# KiCad board Ultra-MSX.kicad_pcb (continued)
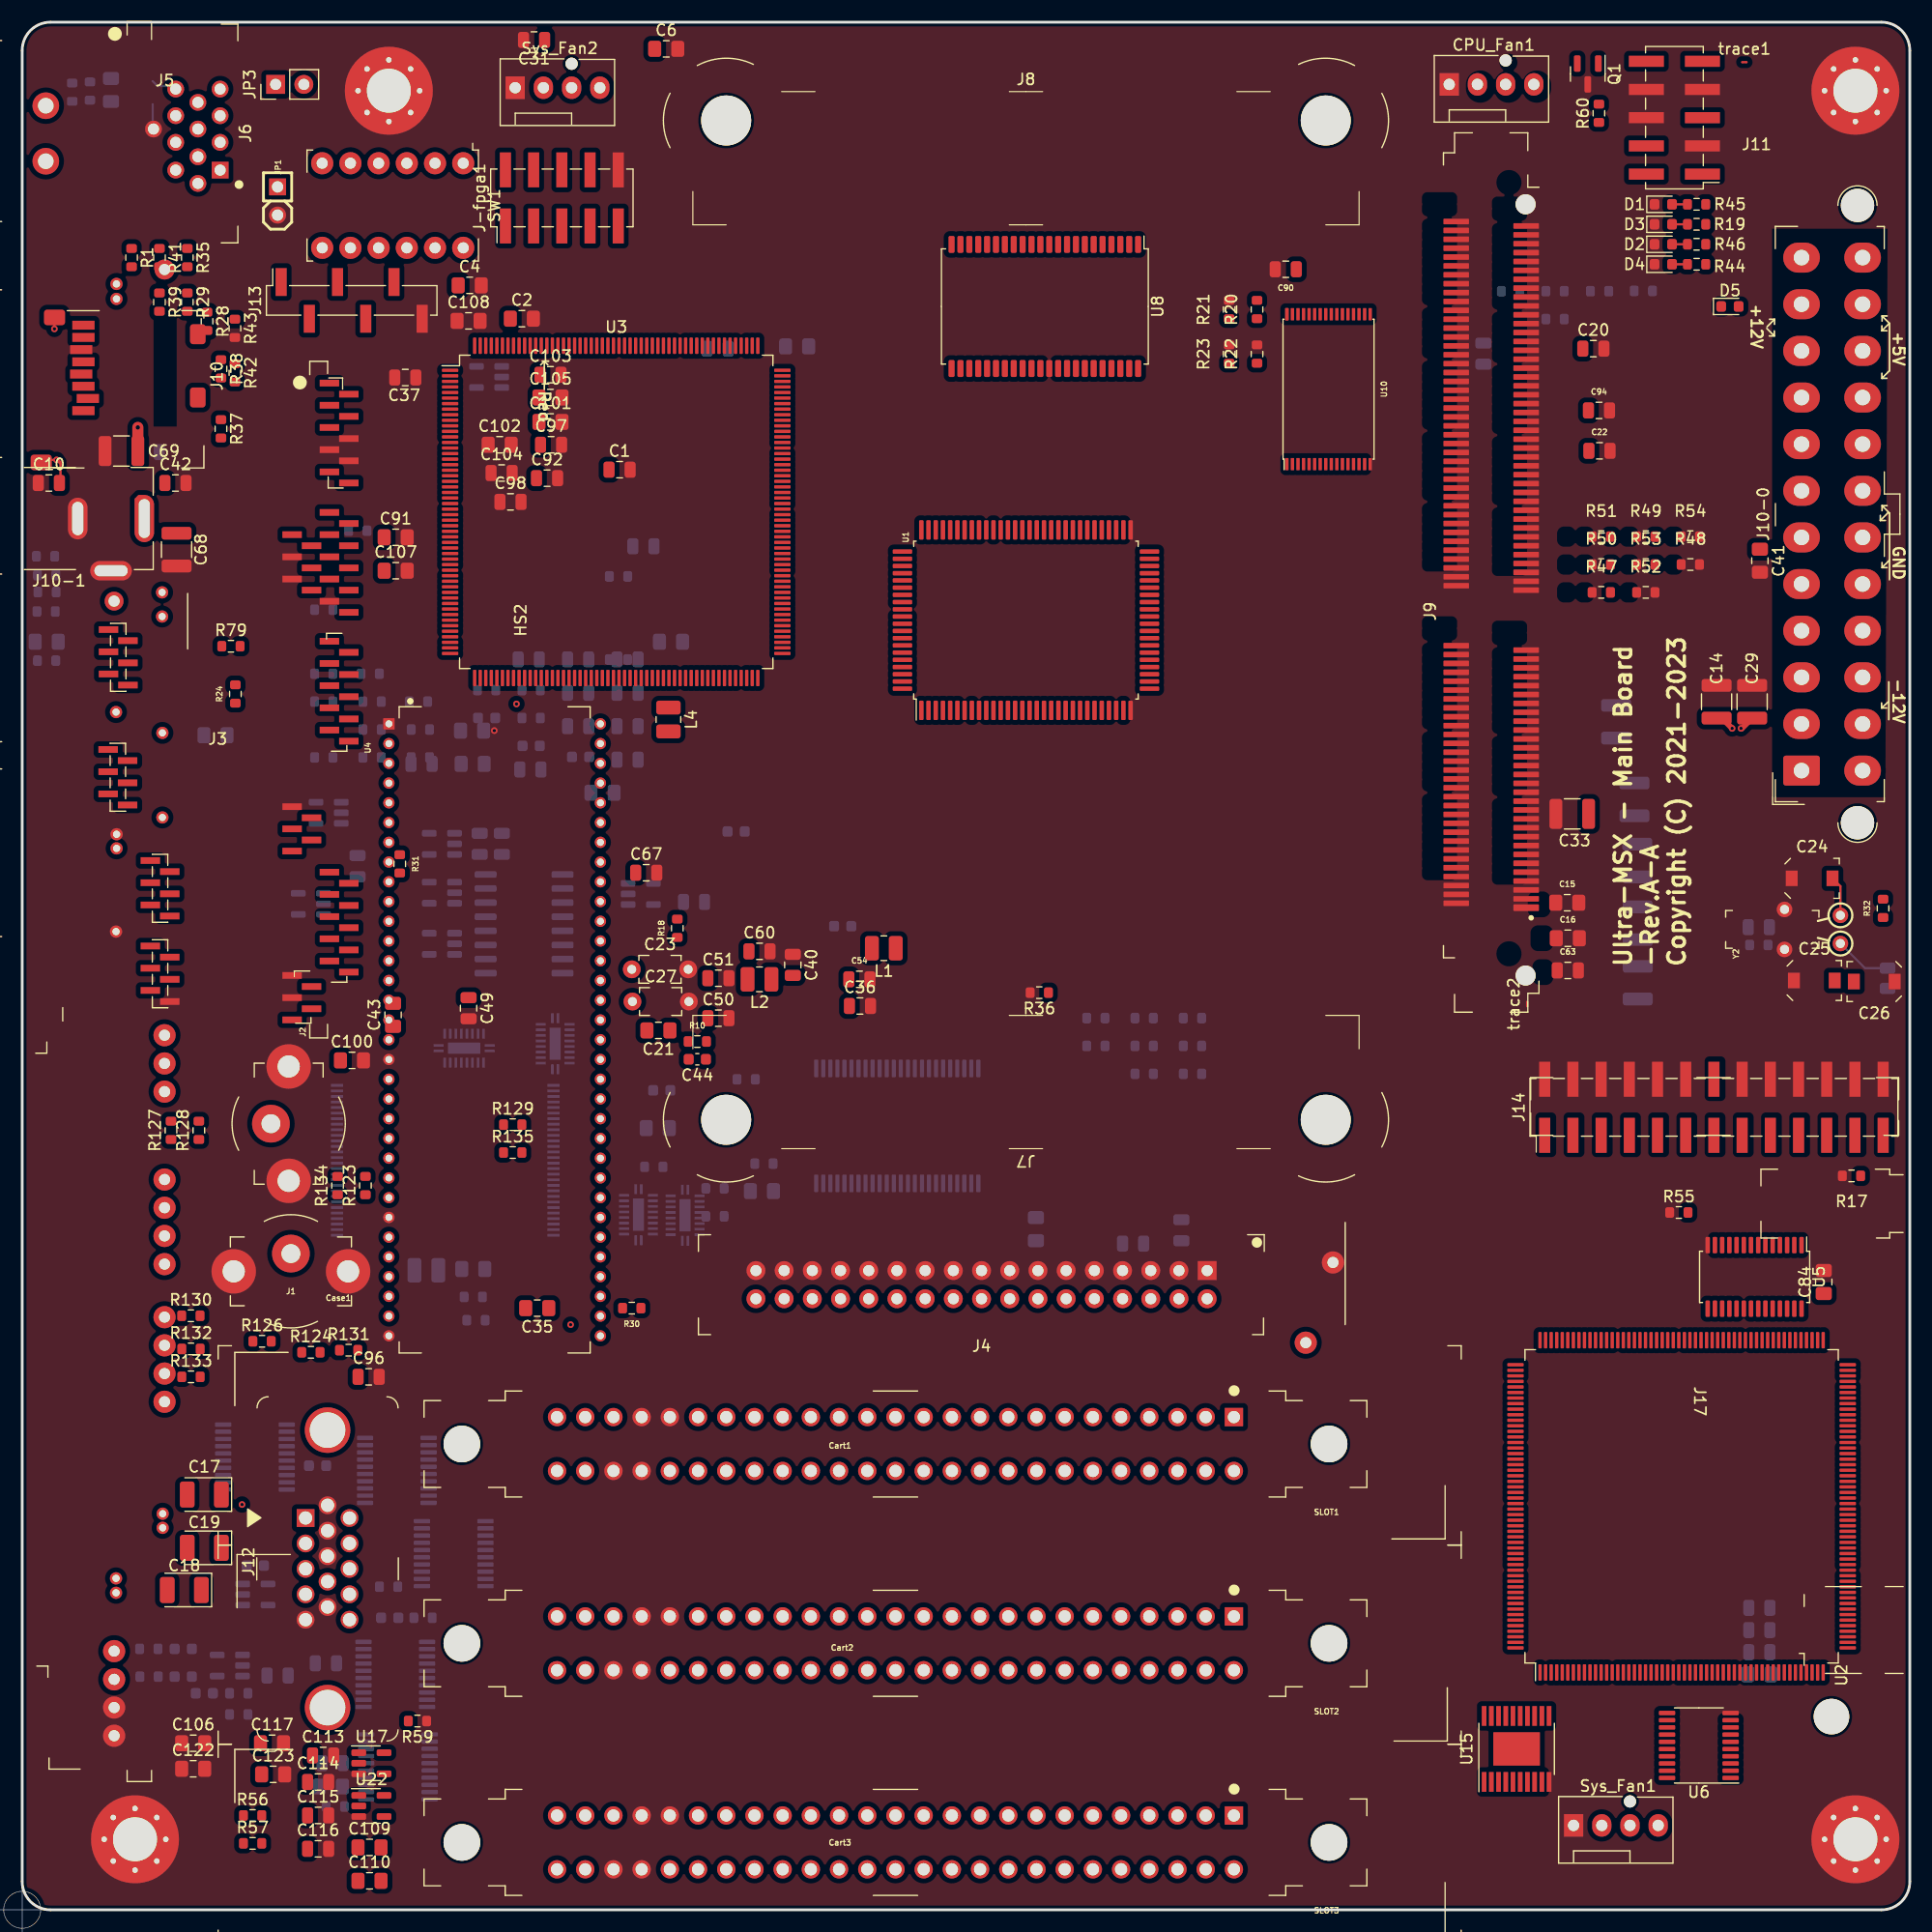
[diagram p0: board, top side]
## Placement (name value [footprint] x y rotation side) (continued)
R116  R  [R_0603_1608Metric]  2.15 116.93 0 bottom
R117  R  [R_0603_1608Metric]  53.7 112.6 0 bottom
R118  R  [R_0603_1608Metric]  2.2 112.5 0 bottom
R121  R  [R_0603_1608Metric]  11.4 23.5 180 bottom
R122  R  [R_0603_1608Metric]  11.43 21 180 bottom
R123  R  [R_0603_1608Metric]  30.91 65.22 90 top
R124  R  [R_0603_1608Metric]  26 50.21 0 top
R125  R  [R_0603_1608Metric]  40.87 53.1 0 bottom
R126  R  [R_0603_1608Metric]  21.6 51.2 0 top
R127  R  [R_0603_1608Metric]  13.4 70.2 90 top
R128  R  [R_0603_1608Metric]  15.91 70.2 90 top
R129  R  [R_0603_1608Metric]  44.18 70.71 0 top
R130  R  [R_0603_1608Metric]  15.19 53.5 0 top
R131  R  [R_0603_1608Metric]  29.4 50.4 0 top
R132  R  [R_0603_1608Metric]  15.2 50.51 0 top
R133  R  [R_0603_1608Metric]  15.2 48 0 top
R134  R  [R_0603_1608Metric]  28.4 65.22 90 top
R135  R  [R_0603_1608Metric]  44.18 68.2 0 top
RV1  AD5144ABRUZ100  [TSSOP-20_4.4x6.5mm_P0.65mm]  38.86 32.08 180 bottom
RV2  AD5144ABRUZ100  [TSSOP-20_4.4x6.5mm_P0.65mm]  33.84 12.88 180 bottom
RV3  AD5144ABRUZ100  [TSSOP-20_4.4x6.5mm_P0.65mm]  33.74 39.58 180 bottom
RV4  AD5144ABRUZ100  [TSSOP-20_4.4x6.5mm_P0.65mm]  33.6 21.2 180 bottom
RV5  AD5144ABRUZ100  [TSSOP-20_4.4x6.5mm_P0.65mm]  20.96 40.78 180 bottom
SLOT1  MSX_SHOST_FLANGE  [MSX_TE_5530841-5]  78.65 41.95 180 top
SLOT2  MSX_SHOST_FLANGE  [MSX_TE_5530841-5]  78.65 24 180 top
SLOT3  MSX_SHOST_FLANGE  [MSX_TE_5530841-5]  78.65 6.07 180 top
SW1  SW_DS01-254  [SW_DIP_DPSTx06_Slide_CUI_DS01_W9.9mm_P2.54mm]  33.37 153.49 270 top
Sys_Fan1  Molex_470533000  [FanPinHeader_1x04_P2.54mm_Vertical]  139.72 7.6 0 top
Sys_Fan2  Molex_470533000  [FanPinHeader_1x04_P2.54mm_Vertical]  44.4 164.1 0 top
trace1  pcb-trace  [NetTie-2_SMD_Pad0.2mm]  155.1 166.4 0 top
trace2  pcb-trace  [NetTie-2_SMD_Pad0.2mm]  135.53 81.58 90 top
U1  MPU_Z380  [PQFP-100_14x20mm_P0.65mm]  90.4 116.15 90 top
U2  AT40K10-2DQU  [PQFP-208_28x28mm_P0.5mm]  149.45 36.34 90 top
U3  AT40K10-2DQU  [PQFP-208_28x28mm_P0.5mm]  53.5 125.9 0 top
U4  YM2610  [YM_SDIP64_600]  42.55 79.25 270 top
U5  BQ4802YPW  [TSSOP-28_4.4x9.7mm_P0.65mm]  156.03 57 270 top
U6  74ABT245PW_118  [TSSOP-20_4.4x6.5mm_P0.65mm]  151 14.8 180 top
U7  TL071HIDBV  [SOT-23-5]  55.71 91.49 0 bottom
U8  AS6C8008-55ZIN  [TSOP-II-44_10.16x18.41mm_P0.8mm]  92.1 144.4 270 top
U9  DAC_YM3016  [SO-16_5.3x10.0mm_P1.27mm]  45.2 88.8 180 bottom
U10  SST39SF040  [TSOP-32_8x14mm_P0.5mm]  117.65 136.95 270 top
U11  TL071HIDBV  [SOT-23-5]  37.8 96 180 bottom
U12  TL071HIDBV  [SOT-23-5]  26 90.6 180 bottom
U13  TL071HIDBV  [SOT-23-5]  37.8 87 180 bottom
U14  SN74ABTH16244DL  [Texas_R-PDSO-G48_7.7x16.0mm]  78.8 70.6 270 bottom
U15  SN74ABT241APW  [Texas_PWP0020A]  134.59 14.49 90 top
U16  TL071HIDBV  [SOT-23-5]  42.05 138.05 180 bottom
U17  TL071HIDBV  [SOT-23-5]  31.45 13.2 0 top
U18  TL071HIDBV  [SOT-23-5]  27.6 98.8 180 bottom
U19  TL071HIDBV  [SOT-23-5]  37.8 91.6 180 bottom
U20  TL071HIDBV  [SOT-23-5]  21 28.4 0 bottom
U21  TL071HIDBV  [SOT-23-5]  18.7 22 180 bottom
U22  TL071HIDBV  [SOT-23-5]  31.45 9.35 0 top
U23  S29GL128S90TFI010  [TSOP-I-56_18.4x14mm_P0.5mm]  38.1 67.5 180 bottom
U24  FXMA108  [WQFN-20-1EP_2.5x4.5mm_P0.5mm_EP1x2.9mm]  39.8 77.6 270 bottom
U25  FXMA108  [WQFN-20-1EP_2.5x4.5mm_P0.5mm_EP1x2.9mm]  48 78 180 bottom
U26  FXMA108  [WQFN-20-1EP_2.5x4.5mm_P0.5mm_EP1x2.9mm]  59.7 62.55 0 bottom
U27  FXMA108  [WQFN-20-1EP_2.5x4.5mm_P0.5mm_EP1x2.9mm]  55.5 62.6 0 bottom
Y2  Crystal_AB38T-32.768KHZ  [Crystal_32K_Horiz]  159.2 88.3 270 top

## Library data of the parts
BT1 BT2 = -: Description: Coin, 6.8mm Silver Oxide 1.55 V Battery Non-Rechargeable (Primary); MPN: 377-376VZ; Manufacturer: Energizer Battery Company; Sim.Enable: 0; Voltage: 1.55V
C1 C3 C7-C9 C13 C20 C22 C31 C36 C37 C40 C42 C48-C55 C59 C60 C62 C63 C65 C67 C74 C79-C83 C85 C87-C90 C92-C98 C103 C104 C113-C116 C118-C120 = -: Description: 0.1uF, 50V, 5%, -55C to +125C, MLCC capacitor; Capacitance: 0.1uF; MPN: CC0805JPX7R9BB104; Manufacturer: Yageo; Mounting type: SMD; Mouser datasheet: https://www.mouser.se/datasheet/2/427/vjcommercialseries-1764145.pdf; Status: Active; Temperature Coefficient : X7R; Voltage rating: 50V
C2 C4-C6 C11 C12 C15 C16 C21 C35 C38 C41 C43 C56 C66 C70-C73 C75 C84 C86 C91 C99-C102 C105-C110 C117 C121-C123 = -: Description: Ceramic capacitor, 10uF, 10V, ±10% , -55C to +105C;  Temperature Coefficient : X7R; Capacitance: 10uF; MPN: GRM21BR71A106KA73K; Manufacturer: Murata Electronics; Tolerance: ±10%; Voltage rating: 10V
C10 = -: Description: 47uF, 10V, 20%, -55C to +85C, X5R, ceramic capacitor; Capacitance: 47uF; MPN: GRM21BR61A476ME15K; Manufacturer: Murata Electronics; Temperature Coefficient: X5R; Tolerance: ±20%; Voltage rating: 10V
C14 C28-C30 C32-C34 C39 C68 C69 = -: Description: 47µF ±10% 16V Ceramic Capacitor X6S 1210 (3225 Metric); Capacity: 47µF; MPN: GRM32EC81C476KE15K; Manufacturer: Murata Electronics; Mounting type: SMD; Operating Temperature: -55°C to +105°C; Status: Active; Temperature Coefficient: X6S; Tolerance: ±10%; Voltage rating: 16V
C17-C19 = -: Description: 220 µF Molded Tantalum Polymer Capacitor 6.3 V 1411 (3528 Metric), 1210 70mOhm @ 100kHz; Capacitance: 220uF; MPN: TCJB227M006R0070; Manufacturer: KYOCERA AVX; Voltage Rating: 6.3V
C23 C27 = -: Description: 2.2nF, ±5%, 50V, Ceramic Capacitor, X7R, surface mount; Capacity: 2.2 nF; MPN: GRM1885C1H222JA01D; Manufacturer: Murata Electronics; Status: Active; Temperature coefficient: C0G; Type: SMD; Voltage rating: 50V
C24-C26 = -: Description: 8 ~ 30pF Trimmer Capacitor 100 V Top Surface Mount; Capacitance: 30pF; MPN: SGC3S300NM; Manufacturer: EW Electronics
C44-C47 C57 C58 C61 C64 C76-C78 C111 C112 = -: Description: Unpolarized capacitor
Cart1-Cart3 = -: Description: MSX-cartridge, for checking placements of components to PCB.; MPN: n/a; Manufacturer: n/a; Sim.Enable: 0
Case1 = -: Description: Mini-ITX case, for checking placements of components to PCB.; MPN: A4-SFX v4.1; Manufacturer: DAN Cases; Sim.Enable: 0
CPU_Fan1 Sys_Fan1 Sys_Fan2 = -: Description: KK 254, Male Header w. friction lock, 1x4 pins, Pitch 2.54mm, -40°C to +80°C; Current Rating: 4A; Detail_Page: https://www.molex.com/molex/products/part-detail/pcb_headers/0470533000; MPN: 0470533000; Manufacturer: Molex; Operating temperature: -40°C to +80°C; Sim.Enable: 0; Status: Active; Voltage Rating: 500V
D1 D2 = -: Description: White, Cool 7000K LED Indication - Discrete 2.93V 0603 (1608 Metric); Colour: White; MPN: VLMW1300-GS08; Manufacturer: Vishay Semiconductor Opto Division; Sim.Enable: 0
D3-D5 = -: Description: Blue 470nm LED Indication - Discrete 3.3V 0603 (1608 Metric); Colour: Blue; MPN: VLMB1310-GS08; Manufacturer: Vishay Semiconductor Opto Division; Sim.Enable: 0
H1-H4 = -: Description: Mounting Hole with connection; Sim.Enable: 0
HS2 = -: Description: Heatsink with electrical connection, 4 pin; MPN: SCFM-2100; Manufacturer: Scythe Group; Sim.Enable: 0
J1 = -: Description: RCA Phono Connectors PHONO JACK, RED, 50V; Colour: Red; Current Rating: n/a; MPN: RCJ-022; Manufacturer: CUI Devices; Sim.Enable: 0; Voltage Rating: 50V
J2 = -: Description: RCA Phono Connectors PHONO JACK, White, 50V; Colour: White; Current Rating: n/a; MPN: RCJ-023; Manufacturer: CUI Devices; Sim.Enable: 0; Voltage Rating: 50V
J3 = -: Description: Video Display Processor -daughter-card, for the Ultra-MSX. (representative symbol); Sim.Enable: 0
J4 = -: Description: Connector Header, Through Hole, 34 position, 2.54mm pitch, Vertical, odd even; Current Rating: 3A; MPN: 75869-306LF; Manufacturer: Amphenol ICC (FCI); Mount: THT; Operating Temperature: -65°C to +125°C; Sim.Enable: 0; Status: Active; Voltage Rating: 250V
J5 = -: Description: IO-shield daugher-card, for the Ultra-MSX. (representative symbol); Sim.Enable: 0
J6 = -: Description: 13 Position Circular Connector Receptacle, Female Sockets Solder, right angle; Current rating: 1A; Manufacturer: CUI Devices; Operating temperature: -40°C ~ 85°C; Sim.Enable: 0; Status: OBSOLETE; Voltage rating: 100V
J7 J8 = -: Description: Mechanical mounting-bracket for Socket AM4 coolers.; MPN: n/a; Manufacturer: n/a; Sim.Enable: 0
J9 = -: Description: Socket for 144-pin SO-DIMM memory modules.; Current rating: 0.3A; Frequency: 133MHz; MPN: 296403144221856A+; Manufacturer: Kyocera/AVX; Operating temperature: -55 C ~ +85 C; Sim.Enable: 0; Status: OBSOLETE; Voltage Rating: 3.3V; Voltage rating: 25V
J10 = -: Description: Micro SD Card Socket with card detection pins (Normally closed switch).; Current rating: 0.5A; MPN: MEM2061-01-188-00-A; Manufacturer: GCT; Sim.Enable: 0; Voltage rating: 63V
J10-0 = -: Description: Connector Header Through Hole 24 position, 4.20mm; Current rating: 6A (per pin); MPN: 0469990346; Manufacturer: Molex; Sim.Enable: 0; Voltage rating: 600V
J10-1 = -: Description: DC Power Connectors 2mm PCB, POWER JACK; Current Rating: 3.5A; MPN: KLDX-0202-A; Manufacturer: Kycon; Sim.Enable: 0; Voltage Rating: 24V
J11 J-fpga1 = -: Description: Generic connector, double row, 02x05, odd/even pin numbering scheme (row 1 odd numbers, row 2 even numbers), script generated (kicad-library-utils/schlib/autogen/connector/); Sim.Enable: 0
J12 = -: Description: D-Sub High Density Connectors 15P Female Size E High Density D-Sub; Current Rating: 3A; MPN: L77HDE15SOL2; Manufacturer: Amphenol Commercial Products; Sim.Enable: 0
J13 = -: Description: Connector, Male, Header Surface Mount 01x06 position, 2.54mm pitch; Current Rating: 3A; MPN: NREC006SABC-M30RC; Manufacturer: Sullins Connector Solutions; Operating Temperature: -40°C ~ +105°C; Sim.Enable: 0
J14 = -: Description: Waveblaster header, such as used on Creative and other Yamaha-based sound-cards - used for SAMPLE playback. (not actual wave table synthesis); Sim.Enable: 0
J15 = -: Description: Holder for 6.8mm button cell batteries.; MPN: n/a; Manufacturer: n/a; Sim.Enable: 0
J17 = -: Description: Waveblaster compatible soundcard supporting 2 soundbanks : 1 user bank, and 1 preloaded X2GS bank.; MPN: X2GS; Manufacturer: Serdashop; Sim.Enable: 0
JP1 = -: Description: Selects what type of keyboard-layout is connected to the MSX. Open(1) = JIS, Closed(0) = ANSI/AIUEO/50on; Features: KBD-TYPE; Sim.Enable: 0
JP3 = -: Description: Jumper header, 2.54 mm pitch - selects whether bottom 256 kiloBit, or top 256 kiloBit Flash rom is mapped to the system memory / slots.; Sim.Enable: 0
L1-L4 = -: Description: Murata Electronics  Fixed Inductors 3.3uH 140mOhms2.3A +/-20% 2.5x2.0x1.2mm; Category: Inductors, Coils, Chokes; Family: Fixed Inductors; Inductance: 3.3uH; M_Datasheet_Link: https://www.mouser.se/datasheet/2/281/product-1023409.pdf; Manufacturer: Murata Electronics; Mouser No:: 81-DFE252012P-3R3MP2; Status: Active
Q1 = -: Description: 20V Vds, 4.6A Id, N-Channel MOSFET, SOT-23; MPN: DMN2058U-7; Manufacturer: Diodes Incorporated; Sim.Enable: 0; Status: Active
R1 R16 R28 R29 R34 R35 R37-R42 R70-R77 R79 = -: Description: 4.7 kOhms ±1% 0.1W, 1/10W Chip Resistor 0603 (1608 Metric) Moisture Resistant Thick Film; MPN: RC0603FR-074K7L; Manufacturer: Yageo; Power Rating: 0.1W; Resistance: 4.7kΩ
R2-R15 R18 R24-R27 R30-R33 R56-R58 R115-R118 R121-R135 = -: Description: Resistor
R17 R20-R23 R47-R54 R62-R69 R80 R85-R92 = -: Description: 10 kOhms ±1% 0.1W, 1/10W Chip Resistor 0603 (1608 Metric) Moisture Resistant Thick Film; MPN: RC0603FR-0710KL; Manufacturer: Yageo; Operating Temperature : -55°C to 155°C; Power (Watts) : 0.1W, 1/10W; Resistance: 10k
R19 = -: Description: 130 Ohms ±1% 0.1W, 1/10W Chip Resistor 0603 (1608 Metric) Automotive AEC-Q200 Thick Film; MPN: ERJ-3EKF1300V; Manufacturer: Panasonic; Operating temperature: -55C to +155C; Resistance: 130Ω; Status: Active; Tolerance: ±1%; Voltage rating: 75V
R36 = -: Description: 470 Ohms ±1% 0.1W, 1/10W Chip Resistor 0603 (1608 Metric), Thick Film; MPN: CRG0603F470R; Manufacturer: TE Connectivity; Operating Temperature : -55°C to 155°C; Power (Watts) : 0.1W, 1/10W; Resistance: 470R
R43 R55 R59 = -: Description: 1 MOhms ±5% 0.1W, Chip Resistor, 0603 (1608 Metric), Automotive AEC-Q200 Thick Film; MPN: ERJ-3GEYJ105V; Manufacturer: Panasonic Electronic Components; Mounting type: SMD; Operating Temperature : -55°C to +155°C; Resistance: 1MΩ; Status: Active; Voltage rating: 75V
R44 R60 = -: Description: 10 Ohms ±1% 0.1W, 1/10W Chip Resistor 0603 (1608 Metric) Automotive AEC-Q200 Thick Film; Details: https://industrial.panasonic.com/ww/products/resistors/chip-resistors/general-purpose-chip-resistors/models/ERJ3EKF66R5V; MPN: ERJ-3EKF10R0V; Manufacturer: Panasonic; Operating temperature: -55C to +155C; Resistance: 10Ω; Status: Active; Tolerance: ±5%; Voltage rating: 75V
R45 R46 = -: Description: 1.8 kOhms ±5% 0.1W, 1/10W Chip Resistor 0603 (1608 Metric) Automotive AEC-Q200 Thick Film; Details: https://industrial.panasonic.com/ww/products/pt/general-purpose-chip-resistors/models/ERJ3GEYJ182V; MPN: ERJ-3EKF1300V; Manufacturer: Panasonic; Operating temperature: -55C to +155C; Resistance: 1.8kΩ; Status: Active; Tolerance: ±5%; Voltage rating: 75V
RV1-RV5 = -: Description: Quad Digital Potentiometer, 100k Ohm, 256 Taps, I²C Interface, 20-TSSOP; Manufacturer: Analog Devices Inc.; Operating Temperature: -40°C ~ 125°C; Sim.Enable: 0; Tolerance: ±8%
SLOT1-SLOT3 = -: Description: MSX-compatible connector for the cartridge slots used in the MSX-standard.; MPN: 5530841-5; Manufacturer: T.E Connectivity; Sim.Enable: 0
SW1 = -: Description: Dip Switch SPST 6 Position Through Hole Slide (Standard) Actuator 25mA 24VDC; Current Rating: 0.025A; MPN: DS01-254-L-06BE; Manufacturer: CUI Devices; Sim.Enable: 0; Voltage Rating: 24V
trace1 trace2 = -: Description: PCB copper-trace, used for connecting objects to a non-existent device, in order to satisfie the ERC-function, when giving nets aliases.; Sim.Enable: 0
U1 = -: Description: Microprocessor, MPU, @ 20MHz, Z380 CMOS CPU, XTEMP; Frequency: 6-25 MHz; MPN: Z80380; Manufacturer: Zilog Inc.; Operating temperature: -40 to +100 C; Sim.Enable: 0; Status: OBSOLETE
U2 U3 = -: Description: FPGA, 10K Gates, 10nS, 100 MHz, 4.5V ~ 5.5V, 161 I/O; Manufacturer: Microchip/ATmel; Sim.Enable: 0; Status: Active; Voltage - Supply: 4.5V to 5.5V
U4 = -: Description: Software-Controlled Sound Generator (SSG), Programmable Sound Generator (PSG), with ADPCM, FM-synthesis and; Manufacturer: Yamaha; Sim.Enable: 0; Status: OBSOLETE
U5 = -: Description: Real Time Clock (RTC) IC Clock/Calendar - Parallel 28-TSSOP (4.40mm Width); Manufacturer: Texas Instruments; Sim.Enable: 0
U6 = -: Description: Transceiver, Non-Inverting 1 Element 8 Bit per Element 3-State Output 20-TSSOP; MPN: 74ABT245PW,118; Manufacturer: Nexperia USA Inc.; Sim.Enable: 0; Status: Active; Voltage Rating: 5.5V
U7 U11-U13 U16-U22 = -: Description: J-FET Amplifier 1 Circuit - SOT-23-5; MPN: TL071HIDBVR; Manufacturer: Texas Instruments; Sim.Enable: 0; Status: Active
U8 = -: Description: 1MB (8mbit, 1mb x 8) Low Power CMOS SRAM, TSOP-44; Manufacturer: Alliance Memory; Sim.Enable: 0; Voltage rating: 5.5V
U9 = -: Description: Audio DAC, 2-Channel, Serial & Binary input, Floating; MPN: YM3016-F; Manufacturer: Yamaha; Sim.Enable: 0
U10 = -: Description: FLASH Memory, 4Mb (512K x 8), Parallel, 55-70 nS; MPN: SST39SF040-55-4I-WHE; Manufacturer: Microchip Technology; Sim.Enable: 0
U14 = -: Description: Buffer, Non-Inverting, 4 Element, 4 Bit per Element, 3-State Output, 48-SSOP; Manufacturer: Texas Instruments; Sim.Enable: 0
U15 = -: Description: Buffer, Non-Inverting, 4 Element, 4 Bit per Element, 3-State Output, 20-TSSOP; Manufacturer: Texas Instruments; Sim.Enable: 0
U23 = -: Description: 512KB (4mb, 512kb x 8) Low Power CMOS SRAM, DIP-32; Frequency: 5MHz; Manufacturer: Cypress Semiconductor / Spansion; Sim.Enable: 0
U24-U27 = -: Description: Dual-Supply, 8-Bit Signal Translator with Configurable Voltage Supplies and Signals Levels, 3-State Outputs and Auto Direction Sensing, WQFN-20; Sim.Enable: 0
Y2 = -: Description: Crystal, two pins, with separate wire holding it down into a right angle, 32.768 KHz, 12.5pF, 30000 Ohm; MPN: AB38T-32.768KHZ; Manufacturer: ABRACON; Sim.Enable: 0

## Footprints (pads in the part's own frame, mm; a bottom-side part is the same pattern mirrored in y, then rotated)
AM4_Cooler-bracket
  round 4.5 hole 4.5 unplated: (-27,3.4) (27,3.4)
Amphenol_75869-306LF_2x17_P2.54mm_Vertical
  rect 1.7x1.7 hole 1: 1(-20.32,-1.27)
  oval 1.7x1.7 hole 1: 2(-20.32,1.27) 3(-17.78,-1.27) 4(-17.78,1.27) 5(-15.24,-1.27) 6(-15.24,1.27) 7(-12.7,-1.27) 8(-12.7,1.27) 9(-10.16,-1.27) 10(-10.16,1.27) 11(-7.62,-1.27) 12(-7.62,1.27) 13(-5.08,-1.27) 14(-5.08,1.27) 15(-2.54,-1.27) 16(-2.54,1.27) 17(0,-1.27) 18(0,1.27) 19(2.54,-1.27) 20(2.54,1.27) 21(5.08,-1.27) 22(5.08,1.27) 23(7.62,-1.27) 24(7.62,1.27) 25(10.16,-1.27) 26(10.16,1.27) 27(12.7,-1.27) 28(12.7,1.27) 29(15.24,-1.27) 30(15.24,1.27) 31(17.78,-1.27) 32(17.78,1.27) 33(20.32,-1.27) 34(20.32,1.27)
Amphenol_L77HDE15SOL2
  rect 1.6x1.6 hole 1.19: 1(4.58,1.98)
  round 1.6 hole 1.19: 2(2.29,1.98) 3(0,1.98) 4(-2.29,1.98) 5(-4.58,1.98) 6(5.725,0) 7(3.435,0) 8(1.145,0) 9(-1.145,0) 10(-3.435,0) 11(4.58,-1.98) 12(2.29,-1.98) 13(0,-1.98) 14(-2.29,-1.98) 15(-4.58,-1.98)
  round 4.1 hole 3.2: SH(-12.495,0) SH(12.495,0)
C_0603_1608Metric
  rrect 0.9x0.95 smd: 1(-0.775,0) 2(0.775,0)
C_0805_2012Metric
  rrect 1x1.45 smd: 1(-0.95,0) 2(0.95,0)
C_0805_2012Metric_Pad1.18x1.45mm_HandSolder
  rrect 1.175x1.45 smd: 1(-1.038,0) 2(1.038,0)
C_1210_3225Metric
  rrect 1.15x2.7 smd: 1(-1.475,0) 2(1.475,0)
C_Rect_L3.6mm_W2.3mm_P5.08mm
  round 1.6 hole 0.8: 1(-2.54,0) 2(2.54,0)
C_Trimmer_Sprague-Goodman_SGC3
  rect 1.075x1.4 smd: 1(-1.837,0) 2(1.837,0)
Conn_Kycon_KLDX-0202-A
  rrect 1.75x4.25 hole 1x3.5: 1(6.9,0)
  rrect 1.75x3.75 hole 1x3: 2(0.9,0)
  rrect 3.75x1.75 hole 3x1: 3(3.9,-4.7)
Conn_Pin_Header_2x1_2.54mm
  rect 1.524x1.524 hole 1.016: 1(-1.27,0)
  round 1.524 hole 1.016: 2(1.27,0)
CP_EIA-3528-15_AVX-H
  rrect 1.325x2.35 smd: 1(-1.538,0) 2(1.538,0)
Crystal_32K_Horiz
  round 1.397 hole 0.813: 1(-1.27,4.55) 2(1.27,4.55) 3(1.8,-0.482) 4(-1.8,-0.482)
CUI_RCJ-022
  round 4 hole 2: 1A(-5.15,0) 1B(5.15,0)
  round 3.4 hole 1.7: 2(0,1.6)
CUI_RCJ-023
  round 4 hole 2: 1A(-5.15,0) 1B(5.15,0)
  round 3.4 hole 1.7: 2(0,1.6)
DIN1648_R_13P_Female_Circular_Horizontal_THT
  rect 1.508x1.508 hole 1: 1(3.3,8.5)
  round 1.508 hole 1: 2(0.8,8.5) 3(-1.6,8.5) 4(-4,8.5) 5(4.5,6.5) 6(2.1,6.5) 7(-0.4,6.5) 8(-2.8,6.5) 9(3.3,4.5) 10(0.8,4.5) 11(-1.6,4.5) 12(-4,4.5) 13(-0.4,2.5)
  round 2.4 hole 1.4: SH(-2.5,-7.2) SH(2.5,-7.2)
FanPinHeader_1x04_P2.54mm_Vertical
  round 1.1 hole 1.1 unplated: (5.08,2.16)
  rect 1.73x2.03 hole 1.02: 1(0,0)
  oval 1.73x2.03 hole 1.02: 2(2.54,0) 3(5.08,0) 4(7.62,0)
Holder_SR626
  round 2 hole 1: 1(6.225,-2.5) 2(-1,-0.05)
Kyocera_296403144121856+
  round 1.8 hole 1.8 unplated: (-36.3,-3.1) (33.16,-3.1)
  rrect 0.6x2.3 smd: 1(-30.19,-3.15)
  rrect 0.5x2.3 smd: 2(-29.79,3.15) 3(-29.39,-3.15) 4(-28.99,3.15) 5(-28.59,-3.15) 6(-28.19,3.15) 7(-27.79,-3.15) 8(-27.39,3.15) 9(-26.99,-3.15) 10(-26.59,3.15) 11(-26.19,-3.15) 12(-25.79,3.15) 13(-25.39,-3.15) 14(-24.99,3.15) 15(-24.59,-3.15) 16(-24.19,3.15) 17(-23.79,-3.15) 18(-23.39,3.15) 19(-22.99,-3.15) 20(-22.59,3.15) 21(-22.19,-3.15) 22(-21.79,3.15) 23(-21.39,-3.15) 24(-20.99,3.15) 25(-20.59,-3.15) 26(-20.19,3.15) 27(-19.79,-3.15) 28(-19.39,3.15) 29(-18.99,-3.15) 30(-18.59,3.15) 31(-18.19,-3.15) 32(-17.79,3.15) 33(-17.39,-3.15) 34(-16.99,3.15) 35(-16.59,-3.15) 36(-16.19,3.15) 37(-15.79,-3.15) 38(-15.39,3.15) 39(-14.99,-3.15) 40(-14.59,3.15) 41(-14.19,-3.15) 42(-13.79,3.15) 43(-13.39,-3.15) 44(-12.99,3.15) 45(-12.59,-3.15) 46(-12.19,3.15) 47(-11.79,-3.15) 48(-11.39,3.15) 49(-10.99,-3.15) 50(-10.59,3.15) 51(-10.19,-3.15) 52(-9.79,3.15) 53(-9.39,-3.15) 54(-8.99,3.15) 55(-8.59,-3.15) 56(-8.19,3.15) 57(-7.79,-3.15) 58(-7.39,3.15) 59(-6.99,-3.15) 60(-6.59,3.15) 61(-1.59,-3.15) 62(-1.19,3.15) 63(-0.79,-3.15) 64(-0.39,3.15) 65(0.01,-3.15) 66(0.41,3.15) 67(0.81,-3.15) 68(1.21,3.15) 69(1.61,-3.15) 70(2.01,3.15) 71(2.41,-3.15) 72(2.81,3.15) 73(3.21,-3.15) 74(3.61,3.15) 75(4.01,-3.15) 76(4.41,3.15) 77(4.81,-3.15) 78(5.21,3.15) 79(5.61,-3.15) 80(6.01,3.15) 81(6.41,-3.15) 82(6.81,3.15) 83(7.21,-3.15) 84(7.61,3.15) 85(8.01,-3.15) 86(8.41,3.15) 87(8.81,-3.15) 88(9.21,3.15) 89(9.61,-3.15) 90(10.01,3.15) 91(10.41,-3.15) 92(10.81,3.15) 93(11.21,-3.15) 94(11.61,3.15) 95(12.01,-3.15) 96(12.41,3.15) 97(12.81,-3.15) 98(13.21,3.15) 99(13.61,-3.15) 100(14.01,3.15) 101(14.41,-3.15) 102(14.81,3.15) 103(15.21,-3.15) 104(15.61,3.15) 105(16.01,-3.15) 106(16.41,3.15) 107(16.81,-3.15) 108(17.21,3.15) 109(17.61,-3.15) 110(18.01,3.15) 111(18.41,-3.15) 112(18.81,3.15) 113(19.21,-3.15) 114(19.61,3.15) 115(20.01,-3.15) 116(20.41,3.15) 117(20.81,-3.15) 118(21.21,3.15) 119(21.61,-3.15) 120(22.01,3.15) 121(22.41,-3.15) 122(22.81,3.15) 123(23.21,-3.15) 124(23.61,3.15) 125(24.01,-3.15) 126(24.41,3.15) 127(24.81,-3.15) 128(25.21,3.15) 129(25.61,-3.15) 130(26.01,3.15) 131(26.41,-3.15) 132(26.81,3.15) 133(27.21,-3.15) 134(27.61,3.15) 135(28.01,-3.15) 136(28.41,3.15) 137(28.81,-3.15) 138(29.21,3.15) 139(29.61,-3.15) 140(30.01,3.15) 141(30.41,-3.15) 142(30.81,3.15) 143(31.21,-3.15) 144(31.61,3.15)
L_1008_2520Metric
  rrect 1.25x2.2 smd: 1(-1.075,0) 2(1.075,0)
LED_0603_1608Metric
  rrect 0.875x0.95 smd: 1(-0.787,0) 2(0.787,0)
microSD_HC_GCT_MEM2061
  rect 0.8x2 smd: 1(1.94,-3.225) 2(0.84,-2.825) 3(-0.26,-3.225) 4(-1.36,-3.425) 5(-2.46,-3.225) 6(-3.56,-3.425) 7(-4.66,-3.225) 8(-5.76,-3.225)
  rrect 1.8x1.4 smd: 9(0.75,7.075) 10(-4.95,7.075)
  rrect 1.4x1.9 smd: 11(-6.46,-5.825) 11(6.6,-7.025)
Molex_Mini-Fit_Jr_5566-24A2_2x12_P4.20mm_Vertical
  round 3 hole 3 unplated: (-4.7,-5.04) (50.9,-5.04)
  rrect 2.7x3.3 hole 1.4: 1(0,0)
  oval 2.7x3.3 hole 1.4: 2(4.2,0) 3(8.4,0) 4(12.6,0) 5(16.8,0) 6(21,0) 7(25.2,0) 8(29.4,0) 9(33.6,0) 10(37.8,0) 11(42,0) 12(46.2,0) 13(0,-5.5) 14(4.2,-5.5) 15(8.4,-5.5) 16(12.6,-5.5) 17(16.8,-5.5) 18(21,-5.5) 19(25.2,-5.5) 20(29.4,-5.5) 21(33.6,-5.5) 22(37.8,-5.5) 23(42,-5.5) 24(46.2,-5.5)
MountingHole_3.96mm_Pad_Via
  round 0.8 hole 0.5: 1(-2.775,0) 1(-1.962,-1.962) 1(-1.962,1.962) 1(0,-2.775) 1(0,2.775) 1(1.962,-1.962) 1(1.962,1.962) 1(2.775,0)
  round 7.92 hole 3.96: 1(0,0)
MSX_TE_5530841-5
  round 3.3 hole 3.3 unplated: (-39.05,0) (39.05,0)
  rect 1.65x1.65 hole 1.1: 1(-30.48,-2.425)
  round 1.65 hole 1.1: 2(-30.48,2.425) 3(-27.94,-2.425) 4(-27.94,2.425) 5(-25.4,-2.425) 6(-25.4,2.425) 7(-22.86,-2.425) 8(-22.86,2.425) 9(-20.32,-2.425) 10(-20.32,2.425) 11(-17.78,-2.425) 12(-17.78,2.425) 13(-15.24,-2.425) 14(-15.24,2.425) 15(-12.7,-2.425) 16(-12.7,2.425) 17(-10.16,-2.425) 18(-10.16,2.425) 19(-7.62,-2.425) 20(-7.62,2.425) 21(-5.08,-2.425) 22(-5.08,2.425) 23(-2.54,-2.425) 24(-2.54,2.425) 25(0,-2.425) 26(0,2.425) 27(2.54,-2.425) 28(2.54,2.425) 29(5.08,-2.425) 30(5.08,2.425) 31(7.62,-2.425) 32(7.62,2.425) 33(10.16,-2.425) 34(10.16,2.425) 35(12.7,-2.425) 36(12.7,2.425) 37(15.24,-2.425) 38(15.24,2.425) 39(17.78,-2.425) 40(17.78,2.425) 41(20.32,-2.425) 42(20.32,2.425) 43(22.86,-2.425) 44(22.86,2.425) 45(25.4,-2.425) 46(25.4,2.425) 47(27.94,-2.425) 48(27.94,2.425) 49(30.48,-2.425) 50(30.48,2.425)
NetTie-2_SMD_Pad0.2mm
  round 0.2 smd: 1(-0.2,0) 2(0.2,0)
PinHeader_1x02_P2.54mm_Vertical
  rect 1.7x1.7 hole 1: 1(0,0)
  oval 1.7x1.7 hole 1: 2(0,-2.54)
PinHeader_1x06_P2.54mm_Vertical_SMD_Pin1Right
  rect 2.51x1 smd: 1(1.655,6.35) 2(-1.655,3.81) 3(1.655,1.27) 4(-1.655,-1.27) 5(1.655,-3.81) 6(-1.655,-6.35)
PinHeader_2x05_P2.54mm_Vertical_SMD
  rect 3.15x1 smd: 1(-2.525,5.08) 2(2.525,5.08) 3(-2.525,2.54) 4(2.525,2.54) 5(-2.525,0) 6(2.525,0) 7(-2.525,-2.54) 8(2.525,-2.54) 9(-2.525,-5.08) 10(2.525,-5.08)
PinHeader_2x13_P2.54mm_Vertical_SMD
  rect 3.15x1 smd: 1(-2.525,15.24) 2(2.525,15.24) 3(-2.525,12.7) 4(2.525,12.7) 5(-2.525,10.16) 6(2.525,10.16) 7(-2.525,7.62) 8(2.525,7.62) 9(-2.525,5.08) 10(2.525,5.08) 11(-2.525,2.54) 12(2.525,2.54) 13(-2.525,0) 14(2.525,0) 15(-2.525,-2.54) 16(2.525,-2.54) 17(-2.525,-5.08) 18(2.525,-5.08) 19(-2.525,-7.62) 20(2.525,-7.62) 21(-2.525,-10.16) 22(2.525,-10.16) 23(-2.525,-12.7) 24(2.525,-12.7) 25(-2.525,-15.24) 26(2.525,-15.24)
PQFP-100_14x20mm_P0.65mm
  rrect 1.75x0.4 smd: 1(-8.125,9.425) 2(-8.125,8.775) 3(-8.125,8.125) 4(-8.125,7.475) 5(-8.125,6.825) 6(-8.125,6.175) 7(-8.125,5.525) 8(-8.125,4.875) 9(-8.125,4.225) 10(-8.125,3.575) 11(-8.125,2.925) 12(-8.125,2.275) 13(-8.125,1.625) 14(-8.125,0.975) 15(-8.125,0.325) 16(-8.125,-0.325) 17(-8.125,-0.975) 18(-8.125,-1.625) 19(-8.125,-2.275) 20(-8.125,-2.925) 21(-8.125,-3.575) 22(-8.125,-4.225) 23(-8.125,-4.875) 24(-8.125,-5.525) 25(-8.125,-6.175) 26(-8.125,-6.825) 27(-8.125,-7.475) 28(-8.125,-8.125) 29(-8.125,-8.775) 30(-8.125,-9.425) 51(8.125,-9.425) 52(8.125,-8.775) 53(8.125,-8.125) 54(8.125,-7.475) 55(8.125,-6.825) 56(8.125,-6.175) 57(8.125,-5.525) 58(8.125,-4.875) 59(8.125,-4.225) 60(8.125,-3.575) 61(8.125,-2.925) 62(8.125,-2.275) 63(8.125,-1.625) 64(8.125,-0.975) 65(8.125,-0.325) 66(8.125,0.325) 67(8.125,0.975) 68(8.125,1.625) 69(8.125,2.275) 70(8.125,2.925) 71(8.125,3.575) 72(8.125,4.225) 73(8.125,4.875) 74(8.125,5.525) 75(8.125,6.175) 76(8.125,6.825) 77(8.125,7.475) 78(8.125,8.125) 79(8.125,8.775) 80(8.125,9.425)
  rrect 0.4x1.75 smd: 31(-6.175,-11.125) 32(-5.525,-11.125) 33(-4.875,-11.125) 34(-4.225,-11.125) 35(-3.575,-11.125) 36(-2.925,-11.125) 37(-2.275,-11.125) 38(-1.625,-11.125) 39(-0.975,-11.125) 40(-0.325,-11.125) 41(0.325,-11.125) 42(0.975,-11.125) 43(1.625,-11.125) 44(2.275,-11.125) 45(2.925,-11.125) 46(3.575,-11.125) 47(4.225,-11.125) 48(4.875,-11.125) 49(5.525,-11.125) 50(6.175,-11.125) 81(6.175,11.125) 82(5.525,11.125) 83(4.875,11.125) 84(4.225,11.125) 85(3.575,11.125) 86(2.925,11.125) 87(2.275,11.125) 88(1.625,11.125) 89(0.975,11.125) 90(0.325,11.125) 91(-0.325,11.125) 92(-0.975,11.125) 93(-1.625,11.125) 94(-2.275,11.125) 95(-2.925,11.125) 96(-3.575,11.125) 97(-4.225,11.125) 98(-4.875,11.125) 99(-5.525,11.125) 100(-6.175,11.125)
PQFP-208_28x28mm_P0.5mm
  rrect 1.475x0.3 smd: 1(-14.963,12.75) 2(-14.963,12.25) 3(-14.963,11.75) 4(-14.963,11.25) 5(-14.963,10.75) 6(-14.963,10.25) 7(-14.963,9.75) 8(-14.963,9.25) 9(-14.963,8.75) 10(-14.963,8.25) 11(-14.963,7.75) 12(-14.963,7.25) 13(-14.963,6.75) 14(-14.963,6.25) 15(-14.963,5.75) 16(-14.963,5.25) 17(-14.963,4.75) 18(-14.963,4.25) 19(-14.963,3.75) 20(-14.963,3.25) 21(-14.963,2.75) 22(-14.963,2.25) 23(-14.963,1.75) 24(-14.963,1.25) 25(-14.963,0.75) 26(-14.963,0.25) 27(-14.963,-0.25) 28(-14.963,-0.75) 29(-14.963,-1.25) 30(-14.963,-1.75) 31(-14.963,-2.25) 32(-14.963,-2.75) 33(-14.963,-3.25) 34(-14.963,-3.75) 35(-14.963,-4.25) 36(-14.963,-4.75) 37(-14.963,-5.25) 38(-14.963,-5.75) 39(-14.963,-6.25) 40(-14.963,-6.75) 41(-14.963,-7.25) 42(-14.963,-7.75) 43(-14.963,-8.25) 44(-14.963,-8.75) 45(-14.963,-9.25) 46(-14.963,-9.75) 47(-14.963,-10.25) 48(-14.963,-10.75) 49(-14.963,-11.25) 50(-14.963,-11.75) 51(-14.963,-12.25) 52(-14.963,-12.75) 105(14.963,-12.75) 106(14.963,-12.25) 107(14.963,-11.75) 108(14.963,-11.25) 109(14.963,-10.75) 110(14.963,-10.25) 111(14.963,-9.75) 112(14.963,-9.25) 113(14.963,-8.75) 114(14.963,-8.25) 115(14.963,-7.75) 116(14.963,-7.25) 117(14.963,-6.75) 118(14.963,-6.25) 119(14.963,-5.75) 120(14.963,-5.25) 121(14.963,-4.75) 122(14.963,-4.25) 123(14.963,-3.75) 124(14.963,-3.25) 125(14.963,-2.75) 126(14.963,-2.25) 127(14.963,-1.75) 128(14.963,-1.25) 129(14.963,-0.75) 130(14.963,-0.25) 131(14.963,0.25) 132(14.963,0.75) 133(14.963,1.25) 134(14.963,1.75) 135(14.963,2.25) 136(14.963,2.75) 137(14.963,3.25) 138(14.963,3.75) 139(14.963,4.25) 140(14.963,4.75) 141(14.963,5.25) 142(14.963,5.75) 143(14.963,6.25) 144(14.963,6.75) 145(14.963,7.25) 146(14.963,7.75) 147(14.963,8.25) 148(14.963,8.75) 149(14.963,9.25) 150(14.963,9.75) 151(14.963,10.25) 152(14.963,10.75) 153(14.963,11.25) 154(14.963,11.75) 155(14.963,12.25) 156(14.963,12.75)
  rrect 0.3x1.475 smd: 53(-12.75,-14.963) 54(-12.25,-14.963) 55(-11.75,-14.963) 56(-11.25,-14.963) 57(-10.75,-14.963) 58(-10.25,-14.963) 59(-9.75,-14.963) 60(-9.25,-14.963) 61(-8.75,-14.963) 62(-8.25,-14.963) 63(-7.75,-14.963) 64(-7.25,-14.963) 65(-6.75,-14.963) 66(-6.25,-14.963) 67(-5.75,-14.963) 68(-5.25,-14.963) 69(-4.75,-14.963) 70(-4.25,-14.963) 71(-3.75,-14.963) 72(-3.25,-14.963) 73(-2.75,-14.963) 74(-2.25,-14.963) 75(-1.75,-14.963) 76(-1.25,-14.963) 77(-0.75,-14.963) 78(-0.25,-14.963) 79(0.25,-14.963) 80(0.75,-14.963) 81(1.25,-14.963) 82(1.75,-14.963) 83(2.25,-14.963) 84(2.75,-14.963) 85(3.25,-14.963) 86(3.75,-14.963) 87(4.25,-14.963) 88(4.75,-14.963) 89(5.25,-14.963) 90(5.75,-14.963) 91(6.25,-14.963) 92(6.75,-14.963) 93(7.25,-14.963) 94(7.75,-14.963) 95(8.25,-14.963) 96(8.75,-14.963) 97(9.25,-14.963) 98(9.75,-14.963) 99(10.25,-14.963) 100(10.75,-14.963) 101(11.25,-14.963) 102(11.75,-14.963) 103(12.25,-14.963) 104(12.75,-14.963) 157(12.75,14.963) 158(12.25,14.963) 159(11.75,14.963) 160(11.25,14.963) 161(10.75,14.963) 162(10.25,14.963) 163(9.75,14.963) 164(9.25,14.963) 165(8.75,14.963) 166(8.25,14.963) 167(7.75,14.963) 168(7.25,14.963) 169(6.75,14.963) 170(6.25,14.963) 171(5.75,14.963) 172(5.25,14.963) 173(4.75,14.963) 174(4.25,14.963) 175(3.75,14.963) 176(3.25,14.963) 177(2.75,14.963) 178(2.25,14.963) 179(1.75,14.963) 180(1.25,14.963) 181(0.75,14.963) 182(0.25,14.963) 183(-0.25,14.963) 184(-0.75,14.963) 185(-1.25,14.963) 186(-1.75,14.963) 187(-2.25,14.963) 188(-2.75,14.963) 189(-3.25,14.963) 190(-3.75,14.963) 191(-4.25,14.963) 192(-4.75,14.963) 193(-5.25,14.963) 194(-5.75,14.963) 195(-6.25,14.963) 196(-6.75,14.963) 197(-7.25,14.963) 198(-7.75,14.963) 199(-8.25,14.963) 200(-8.75,14.963) 201(-9.25,14.963) 202(-9.75,14.963) 203(-10.25,14.963) 204(-10.75,14.963) 205(-11.25,14.963) 206(-11.75,14.963) 207(-12.25,14.963) 208(-12.75,14.963)
R_0603_1608Metric
  rrect 0.8x0.95 smd: 1(-0.825,0) 2(0.825,0)
R_0603_1608Metric_roundcourt
  rrect 0.8x0.95 smd: 1(-0.825,0) 2(0.825,0)
R_0805_2012Metric
  rrect 1.025x1.4 smd: 1(-0.912,0) 2(0.912,0)
SO-16_5.3x10.0mm_P1.27mm
  rrect 1.975x0.6 smd: 1(-3.462,4.445) 2(-3.462,3.175) 3(-3.462,1.905) 4(-3.462,0.635) 5(-3.462,-0.635) 6(-3.462,-1.905) 7(-3.462,-3.175) 8(-3.462,-4.445) 9(3.462,-4.445) 10(3.462,-3.175) 11(3.462,-1.905) 12(3.462,-0.635) 13(3.462,0.635) 14(3.462,1.905) 15(3.462,3.175) 16(3.462,4.445)
SOT-23
  rrect 1.475x0.6 smd: 1(-0.938,0.95) 2(-0.938,-0.95) 3(0.938,0)
SOT-23-5
  rrect 1.325x0.6 smd: 1(-1.137,0.95) 2(-1.137,0) 3(-1.137,-0.95) 4(1.137,-0.95) 5(1.137,0.95)
SW_DIP_DPSTx06_Slide_CUI_DS01_W9.9mm_P2.54mm
  round 2 hole 1: 1(-3.81,6.35) 2(3.81,6.35) 3(-3.81,3.81) 4(3.81,3.81) 5(-3.81,1.27) 6(3.81,1.27) 7(-3.81,-1.27) 8(3.81,-1.27) 9(-3.81,-3.81) 10(3.81,-3.81) 11(-3.81,-6.35) 12(3.81,-6.35)
Texas_PWP0020A
  rect 1.275x1.875 smd: (-0.713,1.012) (-0.713,-1.012) (0.713,1.012) (0.713,-1.012)
  rect 1.78x0.42 smd: 1(-2.97,2.925) 2(-2.97,2.275) 3(-2.97,1.625) 4(-2.97,0.975) 5(-2.97,0.325) 6(-2.97,-0.325) 7(-2.97,-0.975) 8(-2.97,-1.625) 9(-2.97,-2.275) 10(-2.97,-2.925) 11(2.97,-2.925) 12(2.97,-2.275) 13(2.97,-1.625) 14(2.97,-0.975) 15(2.97,-0.325) 16(2.97,0.325) 17(2.97,0.975) 18(2.97,1.625) 19(2.97,2.275) 20(2.97,2.925)
  rect 3x4.2 smd: 21(0,0)
Texas_R-PDSO-G48_7.7x16.0mm
  rrect 1.65x0.425 smd: (-5.175,-7.315) (-5.175,-6.68) (-5.175,-6.045) (-5.175,-5.41) (-5.175,-4.775) (-5.175,-4.14) (-5.175,-3.505) (-5.175,-2.87) (-5.175,-2.235) (-5.175,-1.6) (-5.175,-0.965) (-5.175,-0.33) (-5.175,0.305) (-5.175,0.94) (-5.175,1.575) (-5.175,2.21) (-5.175,2.845) (-5.175,3.48) (-5.175,4.115) (-5.175,4.75) (-5.175,5.385) (-5.175,6.02) (-5.175,6.655) (-5.175,7.29) (5.175,-7.315) (5.175,-6.68) (5.175,-6.045) (5.175,-5.41) (5.175,-4.775) (5.175,-4.14) (5.175,-3.505) (5.175,-2.87) (5.175,-2.235) (5.175,-1.6) (5.175,-0.965) (5.175,-0.33) (5.175,0.305) (5.175,0.94) (5.175,1.575) (5.175,2.21) (5.175,2.845) (5.175,3.48) (5.175,4.115) (5.175,4.75) (5.175,5.385) (5.175,6.02) (5.175,6.655) (5.175,7.29)
  rrect 1.6x0.375 smd: 1(-5.175,7.29) 2(-5.175,6.655) 3(-5.175,6.02) 4(-5.175,5.385) 5(-5.175,4.75) 6(-5.175,4.115) 7(-5.175,3.48) 8(-5.175,2.845) 9(-5.175,2.21) 10(-5.175,1.575) 11(-5.175,0.94) 12(-5.175,0.305) 13(-5.175,-0.33) 14(-5.175,-0.965) 15(-5.175,-1.6) 16(-5.175,-2.235) 17(-5.175,-2.87) 18(-5.175,-3.505) 19(-5.175,-4.14) 20(-5.175,-4.775) 21(-5.175,-5.41) 22(-5.175,-6.045) 23(-5.175,-6.68) 24(-5.175,-7.315) 25(5.175,7.29) 26(5.175,6.655) 27(5.175,6.02) 28(5.175,5.385) 29(5.175,4.75) 30(5.175,4.115) 31(5.175,3.48) 32(5.175,2.845) 33(5.175,2.21) 34(5.175,1.575) 35(5.175,0.94) 36(5.175,0.305) 37(5.175,-0.33) 38(5.175,-0.965) 39(5.175,-1.6) 40(5.175,-2.235) 41(5.175,-2.87) 42(5.175,-3.505) 43(5.175,-4.14) 44(5.175,-4.775) 45(5.175,-5.41) 46(5.175,-6.045) 47(5.175,-6.68) 48(5.175,-7.315)
